# KiCad board Boston-keyboard.kicad_pcb
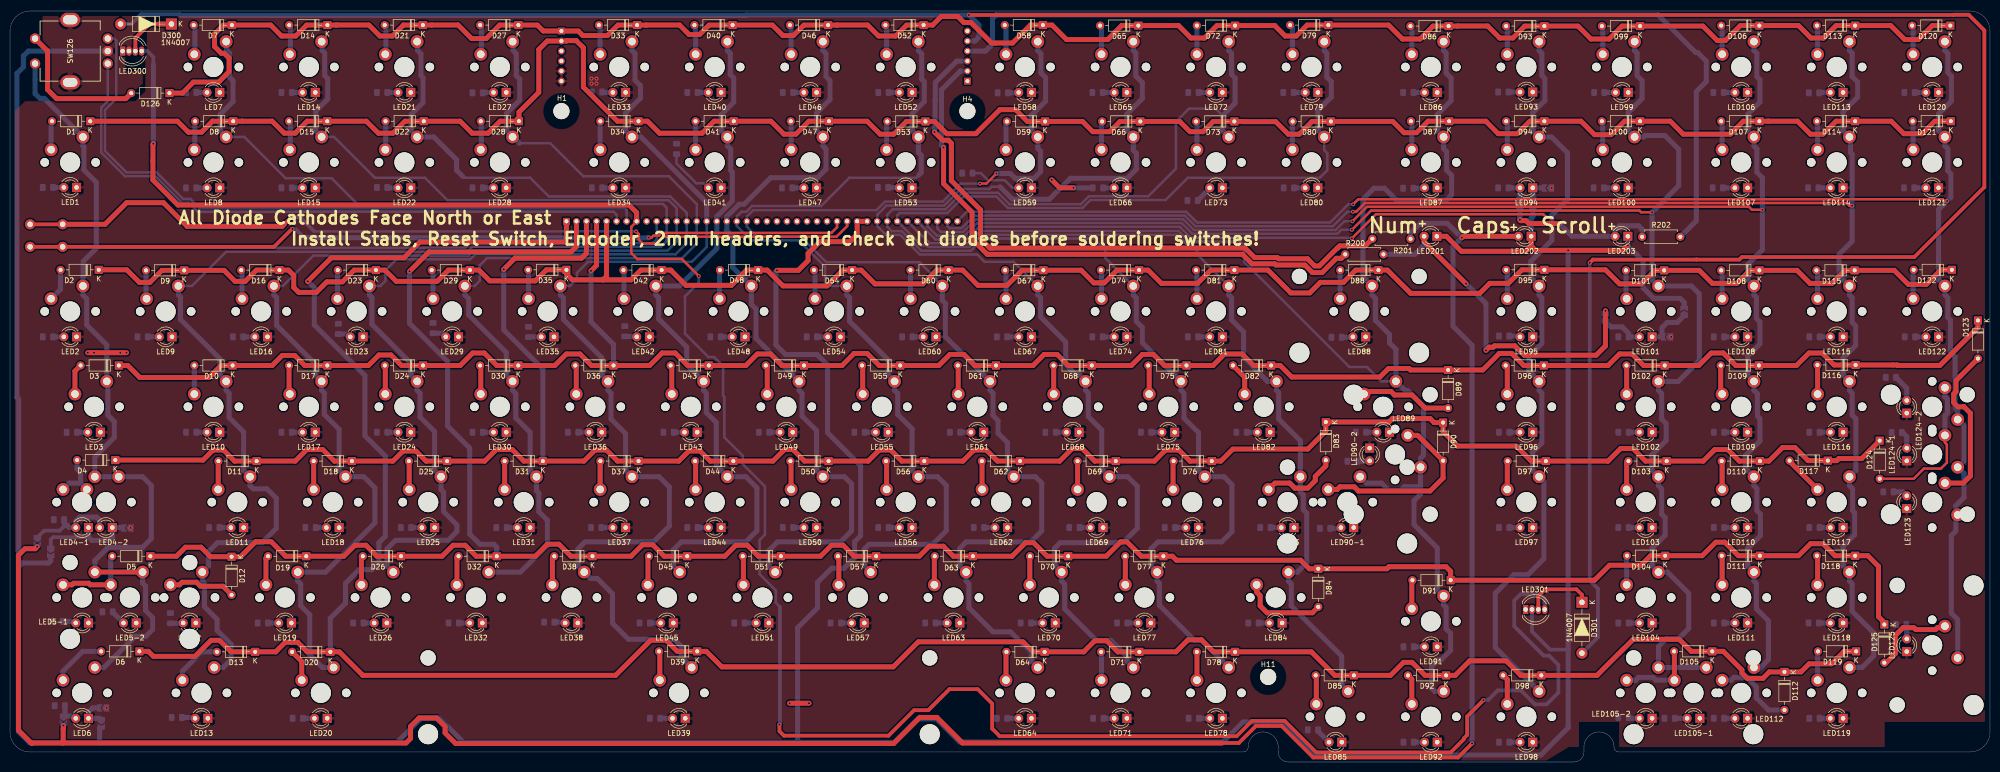
[diagram p0: board, top side]
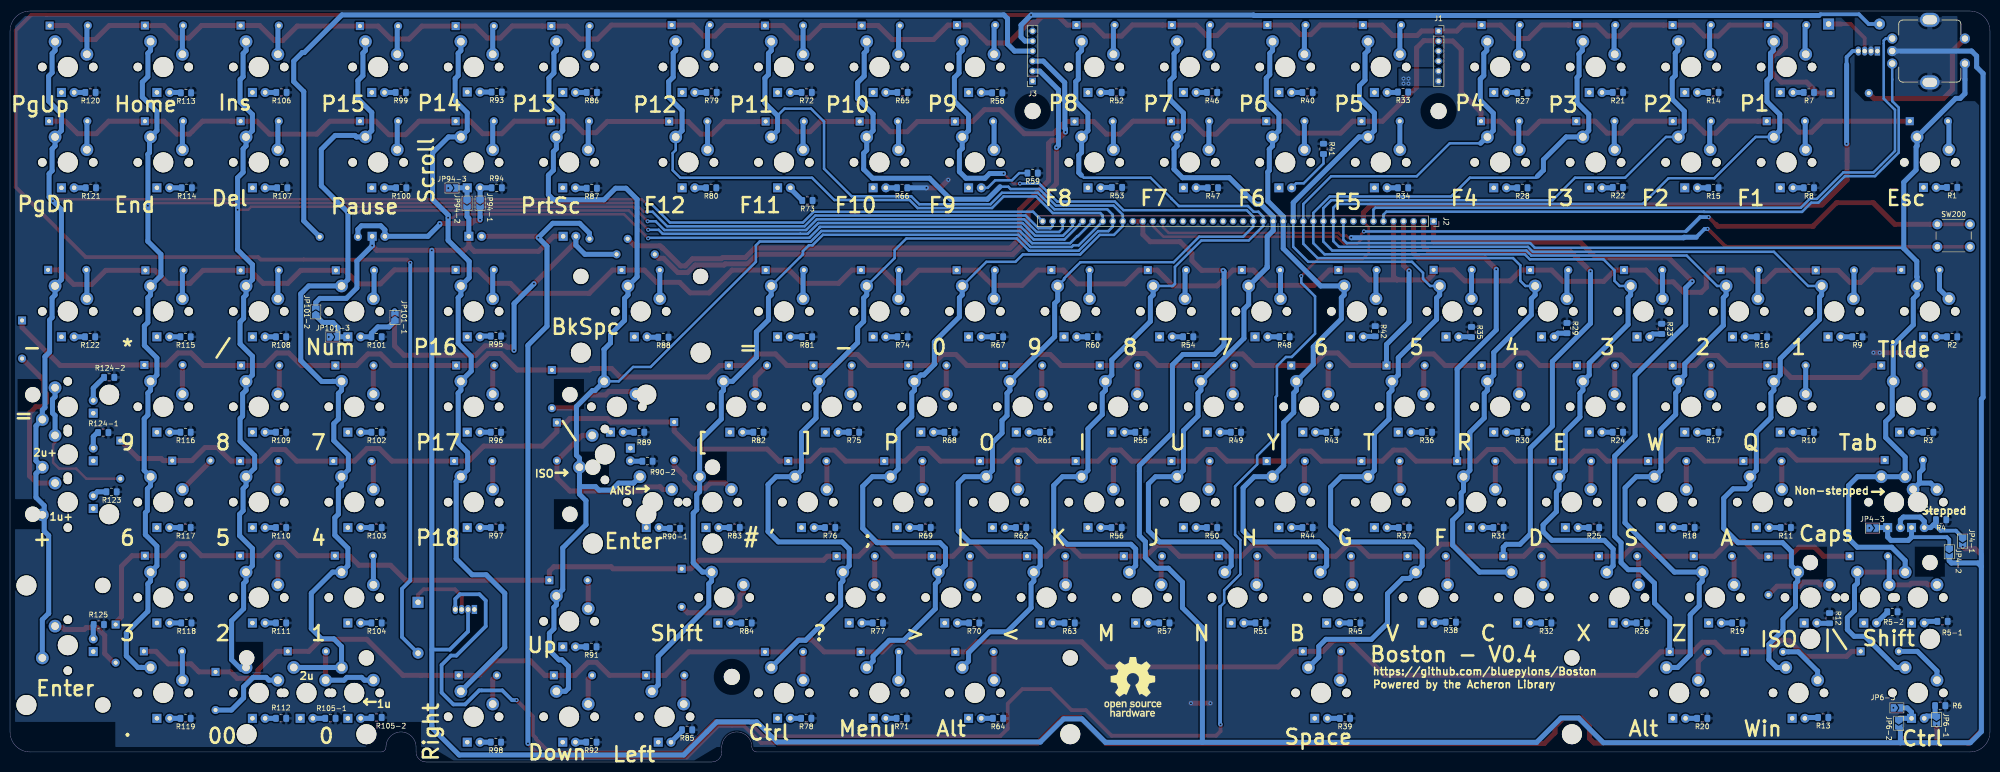
[diagram p1: board, bottom side, seen from below]

Outline 395 x 150 mm; copper layers: Top, Bottom. Coordinates in mm from the lower left corner of the outline.
Outline path: 0,146 0,6 arc(1.17,3.17) 4,2 246,2 arc(246.71,2.29) 247,3 arc(250,6) 253,3 253,2 arc(253.59,0.59) 255,0 312,0 arc(313.41,0.59) 314,2 314,3 arc(317,6) 320,3 arc(320.29,2.29) 321,2 391,2 arc(393.83,3.17) 395,6 395,146 arc(393.83,148.83) 391,150 4,150 arc(1.17,148.83) 0,146
Stack: Top 0.035mm / dielectric 1.51mm FR4 er 4.5 / Bottom 0.035mm

## Placement (name value [footprint] x y rotation side)
D1  1N4148  [D_DO-35_SOD27_P7.62mm_Horizontal]  16 127.99 180 top
D2  1N4148  [D_DO-35_SOD27_P7.62mm_Horizontal]  17.7 98.3 180 top
D3  1N4148  [D_DO-35_SOD27_P7.62mm_Horizontal]  21.7 79.2 180 top
D4  1N4148  [D_DO-35_SOD27_P7.62mm_Horizontal]  21 60.3 180 top
D5  1N4148  [D_DO-35_SOD27_P7.62mm_Horizontal]  28 41.1 180 top
D6  1N4148  [D_DO-35_SOD27_P7.62mm_Horizontal]  25.8 22.1 180 top
D7  1N4148  [D_DO-35_SOD27_P7.62mm_Horizontal]  44.27 147.19 180 top
D8  1N4148  [D_DO-35_SOD27_P7.62mm_Horizontal]  44.54 127.99 180 top
D9  1N4148  [D_DO-35_SOD27_P7.62mm_Horizontal]  34.75 98.2 180 top
D10  1N4148  [D_DO-35_SOD27_P7.62mm_Horizontal]  44.4 79.2 180 top
D11  1N4148  [D_DO-35_SOD27_P7.62mm_Horizontal]  49.2 60.1 180 top
D12  1N4148  [D_DO-35_SOD27_P7.62mm_Horizontal]  44.2 41 270 top
D13  1N4148  [D_DO-35_SOD27_P7.62mm_Horizontal]  48.9 22 180 top
D14  1N4148  [D_DO-35_SOD27_P7.62mm_Horizontal]  63.32 147.19 180 top
D15  1N4148  [D_DO-35_SOD27_P7.62mm_Horizontal]  63.29 127.99 180 top
D16  1N4148  [D_DO-35_SOD27_P7.62mm_Horizontal]  53.75 98.25 180 top
D17  1N4148  [D_DO-35_SOD27_P7.62mm_Horizontal]  63.3 79.2 180 top
D18  1N4148  [D_DO-35_SOD27_P7.62mm_Horizontal]  68.2 60.1 180 top
D19  1N4148  [D_DO-35_SOD27_P7.62mm_Horizontal]  59.1 41.1 180 top
D20  1N4148  [D_DO-35_SOD27_P7.62mm_Horizontal]  63.9 22 180 top
D21  1N4148  [D_DO-35_SOD27_P7.62mm_Horizontal]  82.37 147.19 180 top
D22  1N4148  [D_DO-35_SOD27_P7.62mm_Horizontal]  82.54 127.99 180 top
D23  1N4148  [D_DO-35_SOD27_P7.62mm_Horizontal]  73 98.25 180 top
D24  1N4148  [D_DO-35_SOD27_P7.62mm_Horizontal]  82.4 79.2 180 top
D25  1N4148  [D_DO-35_SOD27_P7.62mm_Horizontal]  87.2 60.1 180 top
D26  1N4148  [D_DO-35_SOD27_P7.62mm_Horizontal]  78 41.1 180 top
D27  1N4148  [D_DO-35_SOD27_P7.62mm_Horizontal]  101.42 147.19 180 top
D28  1N4148  [D_DO-35_SOD27_P7.62mm_Horizontal]  101.54 127.99 180 top
D29  1N4148  [D_DO-35_SOD27_P7.62mm_Horizontal]  91.75 98.25 180 top
D30  1N4148  [D_DO-35_SOD27_P7.62mm_Horizontal]  101.4 79.2 180 top
D31  1N4148  [D_DO-35_SOD27_P7.62mm_Horizontal]  106.3 60.1 180 top
D32  1N4148  [D_DO-35_SOD27_P7.62mm_Horizontal]  97.1 41.1 180 top
D33  1N4148  [D_DO-35_SOD27_P7.62mm_Horizontal]  125.11 147.19 180 top
D34  1N4148  [D_DO-35_SOD27_P7.62mm_Horizontal]  125.38 127.99 180 top
D35  1N4148  [D_DO-35_SOD27_P7.62mm_Horizontal]  111 98.3 180 top
D36  1N4148  [D_DO-35_SOD27_P7.62mm_Horizontal]  120.4 79.2 180 top
D37  1N4148  [D_DO-35_SOD27_P7.62mm_Horizontal]  125.4 60.1 180 top
D38  1N4148  [D_DO-35_SOD27_P7.62mm_Horizontal]  116.2 41.1 180 top
D39  1N4148  [D_DO-35_SOD27_P7.62mm_Horizontal]  137.1 22.1 180 top
D40  1N4148  [D_DO-35_SOD27_P7.62mm_Horizontal]  144.16 147.19 180 top
D41  1N4148  [D_DO-35_SOD27_P7.62mm_Horizontal]  144.38 127.99 180 top
D42  1N4148  [D_DO-35_SOD27_P7.62mm_Horizontal]  130 98.25 180 top
D43  1N4148  [D_DO-35_SOD27_P7.62mm_Horizontal]  139.4 79.2 180 top
D44  1N4148  [D_DO-35_SOD27_P7.62mm_Horizontal]  144.3 60.1 180 top
D45  1N4148  [D_DO-35_SOD27_P7.62mm_Horizontal]  135.1 41.1 180 top
D46  1N4148  [D_DO-35_SOD27_P7.62mm_Horizontal]  163.21 147.19 180 top
D47  1N4148  [D_DO-35_SOD27_P7.62mm_Horizontal]  163.38 127.99 180 top
D48  1N4148  [D_DO-35_SOD27_P7.62mm_Horizontal]  149.25 98.25 180 top
D49  1N4148  [D_DO-35_SOD27_P7.62mm_Horizontal]  158.4 79.2 180 top
D50  1N4148  [D_DO-35_SOD27_P7.62mm_Horizontal]  163.3 60.1 180 top
D51  1N4148  [D_DO-35_SOD27_P7.62mm_Horizontal]  153.8 41.1 180 top
D52  1N4148  [D_DO-35_SOD27_P7.62mm_Horizontal]  182.26 147.19 180 top
D53  1N4148  [D_DO-35_SOD27_P7.62mm_Horizontal]  182.63 127.94 180 top
D54  1N4148  [D_DO-35_SOD27_P7.62mm_Horizontal]  168 98.25 180 top
D55  1N4148  [D_DO-35_SOD27_P7.62mm_Horizontal]  177.6 79.2 180 top
D56  1N4148  [D_DO-35_SOD27_P7.62mm_Horizontal]  182.4 60.1 180 top
D57  1N4148  [D_DO-35_SOD27_P7.62mm_Horizontal]  172.8 41.1 180 top
D58  1N4148  [D_DO-35_SOD27_P7.62mm_Horizontal]  206.07 147.19 180 top
D59  1N4148  [D_DO-35_SOD27_P7.62mm_Horizontal]  206.5 127.94 180 top
D60  1N4148  [D_DO-35_SOD27_P7.62mm_Horizontal]  187.25 98.25 180 top
D61  1N4148  [D_DO-35_SOD27_P7.62mm_Horizontal]  196.7 79.2 180 top
D62  1N4148  [D_DO-35_SOD27_P7.62mm_Horizontal]  201.5 60.1 180 top
D63  1N4148  [D_DO-35_SOD27_P7.62mm_Horizontal]  192.1 41.1 180 top
D64  1N4148  [D_DO-35_SOD27_P7.62mm_Horizontal]  206.4 22 180 top
D65  1N4148  [D_DO-35_SOD27_P7.62mm_Horizontal]  225.1 147.09 180 top
D66  1N4148  [D_DO-35_SOD27_P7.62mm_Horizontal]  225.5 127.94 180 top
D67  1N4148  [D_DO-35_SOD27_P7.62mm_Horizontal]  206.15 98.22 180 top
D68  1N4148  [D_DO-35_SOD27_P7.62mm_Horizontal]  215.8 79.2 180 top
D69  1N4148  [D_DO-35_SOD27_P7.62mm_Horizontal]  220.6 60.1 180 top
D70  1N4148  [D_DO-35_SOD27_P7.62mm_Horizontal]  211.1 41.1 180 top
D71  1N4148  [D_DO-35_SOD27_P7.62mm_Horizontal]  225.3 22 180 top
D72  1N4148  [D_DO-35_SOD27_P7.62mm_Horizontal]  244.4 147.09 180 top
D73  1N4148  [D_DO-35_SOD27_P7.62mm_Horizontal]  244.25 127.94 180 top
D74  1N4148  [D_DO-35_SOD27_P7.62mm_Horizontal]  225.25 98.25 180 top
D75  1N4148  [D_DO-35_SOD27_P7.62mm_Horizontal]  234.7 79.2 180 top
D76  1N4148  [D_DO-35_SOD27_P7.62mm_Horizontal]  239.75 60.1 180 top
D77  1N4148  [D_DO-35_SOD27_P7.62mm_Horizontal]  230.1 41.1 180 top
D78  1N4148  [D_DO-35_SOD27_P7.62mm_Horizontal]  244.4 22 180 top
D79  1N4148  [D_DO-35_SOD27_P7.62mm_Horizontal]  263 147.19 180 top
D80  1N4148  [D_DO-35_SOD27_P7.62mm_Horizontal]  263.5 127.94 180 top
D81  1N4148  [D_DO-35_SOD27_P7.62mm_Horizontal]  244.25 98.25 180 top
D82  1N4148  [D_DO-35_SOD27_P7.62mm_Horizontal]  251.6 79.2 180 top
D83  1N4148  [D_DO-35_SOD27_P7.62mm_Horizontal]  262.5 67.9 270 top
D84  1N4148  [D_DO-35_SOD27_P7.62mm_Horizontal]  261 38.6 270 top
D85  1N4148  [D_DO-35_SOD27_P7.62mm_Horizontal]  268.1 17.3 180 top
D86  1N4148  [D_DO-35_SOD27_P7.62mm_Horizontal]  287 146.99 180 top
D87  1N4148  [D_DO-35_SOD27_P7.62mm_Horizontal]  287.1 127.99 180 top
D88  1N4148  [D_DO-35_SOD27_P7.62mm_Horizontal]  273 98.25 180 top
D89  1N4148  [D_DO-35_SOD27_P7.62mm_Horizontal]  286.9 78.3 270 top
D90  1N4148  [D_DO-35_SOD27_P7.62mm_Horizontal]  285.9 67.8 270 top
D91  1N4148  [D_DO-35_SOD27_P7.62mm_Horizontal]  287.4 36.3 180 top
D92  1N4148  [D_DO-35_SOD27_P7.62mm_Horizontal]  286.5 17.3 180 top
D93  1N4148  [D_DO-35_SOD27_P7.62mm_Horizontal]  306.1 146.99 180 top
D94  1N4148  [D_DO-35_SOD27_P7.62mm_Horizontal]  306.1 127.99 180 top
D95  1N4148  [D_DO-35_SOD27_P7.62mm_Horizontal]  306.1 98.3 180 top
D96  1N4148  [D_DO-35_SOD27_P7.62mm_Horizontal]  306 79.2 180 top
D97  1N4148  [D_DO-35_SOD27_P7.62mm_Horizontal]  306.4 60.1 180 top
D98  1N4148  [D_DO-35_SOD27_P7.62mm_Horizontal]  305.5 17.3 180 top
D99  1N4148  [D_DO-35_SOD27_P7.62mm_Horizontal]  325.2 146.99 180 top
D100  1N4148  [D_DO-35_SOD27_P7.62mm_Horizontal]  325.2 127.99 180 top
D101  1N4148  [D_DO-35_SOD27_P7.62mm_Horizontal]  330 98.2 180 top
D102  1N4148  [D_DO-35_SOD27_P7.62mm_Horizontal]  330.1 79.2 180 top
D103  1N4148  [D_DO-35_SOD27_P7.62mm_Horizontal]  330.5 60.1 180 top
D104  1N4148  [D_DO-35_SOD27_P7.62mm_Horizontal]  330.2 41.2 180 top
D105  1N4148  [D_DO-35_SOD27_P7.62mm_Horizontal]  339.6 22.1 180 top
D106  1N4148  [D_DO-35_SOD27_P7.62mm_Horizontal]  349 147.09 180 top
D107  1N4148  [D_DO-35_SOD27_P7.62mm_Horizontal]  349 127.99 180 top
D108  1N4148  [D_DO-35_SOD27_P7.62mm_Horizontal]  349 98.2 180 top
D109  1N4148  [D_DO-35_SOD27_P7.62mm_Horizontal]  348.9 79.2 180 top
D110  1N4148  [D_DO-35_SOD27_P7.62mm_Horizontal]  349.1 60.1 180 top
D111  1N4148  [D_DO-35_SOD27_P7.62mm_Horizontal]  349.1 41.2 180 top
D112  1N4148  [D_DO-35_SOD27_P7.62mm_Horizontal]  354 18 270 top
D113  1N4148  [D_DO-35_SOD27_P7.62mm_Horizontal]  368.1 147.09 180 top
D114  1N4148  [D_DO-35_SOD27_P7.62mm_Horizontal]  368.1 127.99 180 top
D115  1N4148  [D_DO-35_SOD27_P7.62mm_Horizontal]  368 98.2 180 top
D116  1N4148  [D_DO-35_SOD27_P7.62mm_Horizontal]  368.2 79.3 180 top
D117  1N4148  [D_DO-35_SOD27_P7.62mm_Horizontal]  362.64 60.2 180 top
D118  1N4148  [D_DO-35_SOD27_P7.62mm_Horizontal]  368.1 41.2 180 top
D119  1N4148  [D_DO-35_SOD27_P7.62mm_Horizontal]  368.3 22.1 180 top
D120  1N4148  [D_DO-35_SOD27_P7.62mm_Horizontal]  387.1 147.09 180 top
D121  1N4148  [D_DO-35_SOD27_P7.62mm_Horizontal]  387.2 127.99 180 top
D122  1N4148  [D_DO-35_SOD27_P7.62mm_Horizontal]  387.4 98.3 180 top
D123  1N4148  [D_DO-35_SOD27_P7.62mm_Horizontal]  392.6 88.2 270 top
D124  1N4148  [D_DO-35_SOD27_P7.62mm_Horizontal]  373 64.2 270 top
D125  1N4148  [D_DO-35_SOD27_P7.62mm_Horizontal]  373.93 27.46 270 top
D126  1N4148  [D_DO-35_SOD27_P7.62mm_Horizontal]  31.8 133.6 180 top
D300  1N4007  [D_DO-41_SOD81_P10.16mm_Horizontal]  32.2 147.4 180 top
D301  1N4007  [D_DO-41_SOD81_P10.16mm_Horizontal]  313.6 31.9 270 top
H1  MountingHole  [MountingHole_3.2mm_M3_ISO7380]  110 130 0 top
H4  MountingHole  [MountingHole_3.2mm_M3_ISO7380]  191 130 0 top
H11  MountingHole  [MountingHole_3.2mm_M3_ISO7380]  251 17 0 top
J1  Conn_01x06_Female  [PinSocket_1x06_P2.00mm_Vertical]  110 146 180 bottom
J2  Conn_01x40_Female  [PinSocket_1x40_P2.00mm_Vertical]  111 108 270 bottom
J3  Conn_01x06_Female  [PinSocket_1x06_P2.00mm_Vertical]  191 136 0 bottom
JP4-1  SolderJumper_2_Open  [SolderJumper-2_P1.3mm_Open_TrianglePad1.0x1.5mm]  5.45 44.12 270 bottom
JP4-2  SolderJumper_2_Open  [SolderJumper-2_P1.3mm_Open_TrianglePad1.0x1.5mm]  8.12 41.98 270 bottom
JP4-3  SolderJumper_2_Open  [SolderJumper-2_P1.3mm_Open_TrianglePad1.0x1.5mm]  23.45 46.73 180 bottom
JP6-1  SolderJumper_2_Open  [SolderJumper-2_P1.3mm_Open_TrianglePad1.0x1.5mm]  10.68 8.45 270 bottom
JP6-2  SolderJumper_2_Open  [SolderJumper-2_P1.3mm_Open_TrianglePad1.0x1.5mm]  18.2 7.75 270 bottom
JP6-3  SolderJumper_2_Open  [SolderJumper-2_P1.3mm_Open_TrianglePad1.0x1.5mm]  18.57 10.8 180 bottom
JP94-1  SolderJumper_2_Open  [SolderJumper-2_P1.3mm_Open_TrianglePad1.0x1.5mm]  301.23 111.62 270 bottom
JP94-2  SolderJumper_2_Open  [SolderJumper-2_P1.3mm_Open_TrianglePad1.0x1.5mm]  303.82 111.62 270 bottom
JP94-3  SolderJumper_2_Open  [SolderJumper-2_P1.3mm_Open_TrianglePad1.0x1.5mm]  306.82 114.65 180 bottom
JP101-1  SolderJumper_2_Open  [SolderJumper-2_P1.3mm_Open_TrianglePad1.0x1.5mm]  318.2 88.8 90 bottom
JP101-2  SolderJumper_2_Open  [SolderJumper-2_P1.3mm_Open_TrianglePad1.0x1.5mm]  334 89.9 90 bottom
JP101-3  SolderJumper_2_Open  [SolderJumper-2_P1.3mm_Open_TrianglePad1.0x1.5mm]  330.6 84.9 180 bottom
LED1  LED  [LED_D3.0mm_Clear]  13.27 114.77 180 top
LED2  LED  [LED_D3.0mm_Clear]  13.27 84.92 180 top
LED3  LED  [LED_D3.0mm_Clear]  18.03 65.87 180 top
LED4-1  LED  [LED_D3.0mm_Clear]  15.65 46.82 180 top
LED4-2  LED  [LED_D3.0mm_Clear]  20.41 46.82 180 top
LED5-1  LED  [LED_D3.0mm_Clear]  15.65 27.77 180 top
LED5-2  LED  [LED_D3.0mm_Clear]  25.18 27.77 180 top
LED6  LED  [LED_D3.0mm_Clear]  15.65 8.72 180 top
LED7  LED  [LED_D3.0mm_Clear]  41.84 133.74 180 top
LED8  LED  [LED_D3.0mm_Clear]  41.84 114.69 180 top
LED9  LED  [LED_D3.0mm_Clear]  32.32 84.92 180 top
LED10  LED  [LED_D3.0mm_Clear]  41.84 65.87 180 top
LED11  LED  [LED_D3.0mm_Clear]  46.61 46.82 180 top
LED12  LED  [LED_D3.0mm_Clear]  37.08 27.77 180 top
LED13  LED  [LED_D3.0mm_Clear]  39.46 8.72 180 top
LED14  LED  [LED_D3.0mm_Clear]  60.9 133.74 180 top
LED15  LED  [LED_D3.0mm_Clear]  60.9 114.69 180 top
LED16  LED  [LED_D3.0mm_Clear]  51.37 84.92 180 top
LED17  LED  [LED_D3.0mm_Clear]  60.9 65.87 180 top
LED18  LED  [LED_D3.0mm_Clear]  65.66 46.82 180 top
LED19  LED  [LED_D3.0mm_Clear]  56.13 27.77 180 top
LED20  LED  [LED_D3.0mm_Clear]  63.28 8.72 180 top
LED21  LED  [LED_D3.0mm_Clear]  79.94 133.74 180 top
LED22  LED  [LED_D3.0mm_Clear]  79.94 114.69 180 top
LED23  LED  [LED_D3.0mm_Clear]  70.42 84.92 180 top
LED24  LED  [LED_D3.0mm_Clear]  79.94 65.87 180 top
LED25  LED  [LED_D3.0mm_Clear]  84.71 46.82 180 top
LED26  LED  [LED_D3.0mm_Clear]  75.18 27.77 180 top
LED27  LED  [LED_D3.0mm_Clear]  99 133.74 180 top
LED28  LED  [LED_D3.0mm_Clear]  99 114.69 180 top
LED29  LED  [LED_D3.0mm_Clear]  89.47 84.92 180 top
LED30  LED  [LED_D3.0mm_Clear]  99 65.87 180 top
LED31  LED  [LED_D3.0mm_Clear]  103.76 46.82 180 top
LED32  LED  [LED_D3.0mm_Clear]  94.23 27.77 180 top
LED33  LED  [LED_D3.0mm_Clear]  122.81 133.74 180 top
LED34  LED  [LED_D3.0mm_Clear]  122.81 114.69 180 top
LED35  LED  [LED_D3.0mm_Clear]  108.52 84.92 180 top
LED36  LED  [LED_D3.0mm_Clear]  118.05 65.87 180 top
LED37  LED  [LED_D3.0mm_Clear]  122.81 46.82 180 top
LED38  LED  [LED_D3.0mm_Clear]  113.28 27.77 180 top
LED39  LED  [LED_D3.0mm_Clear]  134.71 8.72 180 top
LED40  LED  [LED_D3.0mm_Clear]  141.86 133.74 180 top
LED41  LED  [LED_D3.0mm_Clear]  141.86 114.69 180 top
LED42  LED  [LED_D3.0mm_Clear]  127.57 84.92 180 top
LED43  LED  [LED_D3.0mm_Clear]  137.09 65.87 180 top
LED44  LED  [LED_D3.0mm_Clear]  141.86 46.82 180 top
LED45  LED  [LED_D3.0mm_Clear]  132.33 27.77 180 top
LED46  LED  [LED_D3.0mm_Clear]  160.91 133.74 180 top
LED47  LED  [LED_D3.0mm_Clear]  160.91 114.69 180 top
LED48  LED  [LED_D3.0mm_Clear]  146.62 84.92 180 top
LED49  LED  [LED_D3.0mm_Clear]  156.15 65.87 180 top
LED50  LED  [LED_D3.0mm_Clear]  160.91 46.82 180 top
LED51  LED  [LED_D3.0mm_Clear]  151.38 27.77 180 top
LED52  LED  [LED_D3.0mm_Clear]  179.96 133.74 180 top
LED53  LED  [LED_D3.0mm_Clear]  179.96 114.69 180 top
LED54  LED  [LED_D3.0mm_Clear]  165.67 84.92 180 top
LED55  LED  [LED_D3.0mm_Clear]  175.19 65.87 180 top
LED56  LED  [LED_D3.0mm_Clear]  179.96 46.82 180 top
LED57  LED  [LED_D3.0mm_Clear]  170.43 27.77 180 top
LED58  LED  [LED_D3.0mm_Clear]  203.77 133.74 180 top
LED59  LED  [LED_D3.0mm_Clear]  203.77 114.69 180 top
LED60  LED  [LED_D3.0mm_Clear]  184.72 84.92 180 top
LED61  LED  [LED_D3.0mm_Clear]  194.25 65.87 180 top
LED62  LED  [LED_D3.0mm_Clear]  199.01 46.82 180 top
LED63  LED  [LED_D3.0mm_Clear]  189.48 27.77 180 top
LED64  LED  [LED_D3.0mm_Clear]  203.77 8.72 180 top
LED65  LED  [LED_D3.0mm_Clear]  222.82 133.74 180 top
LED66  LED  [LED_D3.0mm_Clear]  222.82 114.69 180 top
LED67  LED  [LED_D3.0mm_Clear]  203.77 84.92 180 top
LED68  LED  [LED_D3.0mm_Clear]  213.29 65.87 180 top
LED69  LED  [LED_D3.0mm_Clear]  218.06 46.82 180 top
LED70  LED  [LED_D3.0mm_Clear]  208.53 27.77 180 top
LED71  LED  [LED_D3.0mm_Clear]  222.82 8.72 180 top
LED72  LED  [LED_D3.0mm_Clear]  241.87 133.74 180 top
LED73  LED  [LED_D3.0mm_Clear]  241.87 114.69 180 top
LED74  LED  [LED_D3.0mm_Clear]  222.82 84.92 180 top
LED75  LED  [LED_D3.0mm_Clear]  232.34 65.87 180 top
LED76  LED  [LED_D3.0mm_Clear]  237.11 46.82 180 top
LED77  LED  [LED_D3.0mm_Clear]  227.58 27.77 180 top
LED78  LED  [LED_D3.0mm_Clear]  241.87 8.72 180 top
LED79  LED  [LED_D3.0mm_Clear]  260.92 133.74 180 top
LED80  LED  [LED_D3.0mm_Clear]  260.92 114.69 180 top
LED81  LED  [LED_D3.0mm_Clear]  241.87 84.92 180 top
LED82  LED  [LED_D3.0mm_Clear]  251.4 65.87 180 top
LED83  LED  [LED_D3.0mm_Clear]  256.16 46.82 180 top
LED84  LED  [LED_D3.0mm_Clear]  253.78 27.77 180 top
LED85  LED  [LED_D3.0mm_Clear]  265.68 3.96 180 top
LED86  LED  [LED_D3.0mm_Clear]  284.73 133.74 180 top
LED87  LED  [LED_D3.0mm_Clear]  284.73 114.69 180 top
LED88  LED  [LED_D3.0mm_Clear]  270.44 84.92 180 top
LED89  LED  [LED_D3.0mm_Clear]  275.21 65.87 180 top
LED90-1  LED  [LED_D3.0mm_Clear]  268.06 46.82 180 top
LED90-2  LED  [LED_D3.0mm_Clear]  271.24 62.7 270 top
LED91  LED  [LED_D3.0mm_Clear]  284.73 23.01 180 top
LED92  LED  [LED_D3.0mm_Clear]  284.73 3.96 180 top
LED93  LED  [LED_D3.0mm_Clear]  303.78 133.81 180 top
LED94  LED  [LED_D3.0mm_Clear]  303.78 114.69 180 top
LED95  LED  [LED_D3.0mm_Clear]  303.78 84.92 180 top
LED96  LED  [LED_D3.0mm_Clear]  303.78 65.87 180 top
LED97  LED  [LED_D3.0mm_Clear]  303.78 46.82 180 top
LED98  LED  [LED_D3.0mm_Clear]  303.78 3.96 180 top
LED99  LED  [LED_D3.0mm_Clear]  322.83 133.74 180 top
LED100  LED  [LED_D3.0mm_Clear]  322.83 114.69 180 top
LED101  LED  [LED_D3.0mm_Clear]  327.6 84.92 180 top
LED102  LED  [LED_D3.0mm_Clear]  327.6 65.87 180 top
LED103  LED  [LED_D3.0mm_Clear]  327.6 46.82 180 top
LED104  LED  [LED_D3.0mm_Clear]  327.6 27.77 180 top
LED105-1  LED  [LED_D3.0mm_Clear]  337.12 8.72 180 top
LED105-2  LED  [LED_D3.0mm_Clear]  327.6 8.72 180 top
LED106  LED  [LED_D3.0mm_Clear]  346.64 133.74 180 top
LED107  LED  [LED_D3.0mm_Clear]  346.64 114.69 180 top
LED108  LED  [LED_D3.0mm_Clear]  346.64 84.92 180 top
LED109  LED  [LED_D3.0mm_Clear]  346.64 65.87 180 top
LED110  LED  [LED_D3.0mm_Clear]  346.64 46.82 180 top
LED111  LED  [LED_D3.0mm_Clear]  346.64 27.77 180 top
LED112  LED  [LED_D3.0mm_Clear]  346.64 8.72 180 top
LED113  LED  [LED_D3.0mm_Clear]  365.69 133.74 180 top
LED114  LED  [LED_D3.0mm_Clear]  365.69 114.69 180 top
LED115  LED  [LED_D3.0mm_Clear]  365.69 84.92 180 top
LED116  LED  [LED_D3.0mm_Clear]  365.69 65.87 180 top
LED117  LED  [LED_D3.0mm_Clear]  365.69 46.82 180 top
LED118  LED  [LED_D3.0mm_Clear]  365.69 27.77 180 top
LED119  LED  [LED_D3.0mm_Clear]  365.69 8.72 180 top
LED120  LED  [LED_D3.0mm_Clear]  384.75 133.74 180 top
LED121  LED  [LED_D3.0mm_Clear]  384.75 114.69 180 top
LED122  LED  [LED_D3.0mm_Clear]  384.75 84.92 180 top
LED123  LED  [LED_D3.0mm_Clear]  378.39 50.63 90 top
LED124-1  LED  [LED_D3.0mm_Clear]  378.39 60.16 90 top
LED124-2  LED  [LED_D3.0mm_Clear]  378.39 69.68 90 top
LED125  LED  [LED_D3.0mm_Clear]  378.39 22.06 90 top
LED201  LED  [LED_D3.0mm_Clear]  284.65 105 180 top
LED202  LED  [LED_D3.0mm_Clear]  303.46 105 180 top
LED203  LED  [LED_D3.0mm_Clear]  322.75 105 180 top
LED300  NeoPixel_THT  [LED_D5.0mm-4_RGB]  22.46 142 0 top
LED301  NeoPixel_THT  [LED_D5.0mm-4_RGB]  302.36 30.46 0 top
LOGO2  Logo_Open_Hardware_Large  [OSHW-Logo_11.4x12mm_SilkScreen]  171 15 180 bottom
R1  47  [R_0805_2012Metric_Pad1.15x1.40mm_HandSolder]  7.55 114.77 0 bottom
R2  47  [R_0805_2012Metric_Pad1.15x1.40mm_HandSolder]  7.55 84.92 0 bottom
R3  47  [R_0805_2012Metric_Pad1.15x1.40mm_HandSolder]  12.32 65.87 0 bottom
R4  47  [R_0805_2012Metric_Pad1.15x1.40mm_HandSolder]  9.75 48.4 0 bottom
R5-1  47  [R_0805_2012Metric_Pad1.15x1.40mm_HandSolder]  9.46 28.09 0 bottom
R5-2  47  [R_0805_2012Metric_Pad1.15x1.40mm_HandSolder]  19.46 29.99 0 bottom
R6  47  [R_0805_2012Metric_Pad1.15x1.40mm_HandSolder]  9.93 11.25 0 bottom
R7  47  [R_0805_2012Metric_Pad1.15x1.40mm_HandSolder]  36.13 133.74 0 bottom
R8  47  [R_0805_2012Metric_Pad1.15x1.40mm_HandSolder]  36.13 114.69 0 bottom
R9  47  [R_0805_2012Metric_Pad1.15x1.40mm_HandSolder]  26.45 84.92 0 bottom
R10  47  [R_0805_2012Metric_Pad1.15x1.40mm_HandSolder]  36.13 65.87 0 bottom
R11  47  [R_0805_2012Metric_Pad1.15x1.40mm_HandSolder]  40.73 46.82 0 bottom
R12  47  [R_0805_2012Metric_Pad1.15x1.40mm_HandSolder]  32 28.72 270 bottom
R13  47  [R_0805_2012Metric_Pad1.15x1.40mm_HandSolder]  33.27 8.88 0 bottom
R14  47  [R_0805_2012Metric_Pad1.15x1.40mm_HandSolder]  55.18 133.74 0 bottom
R15  47  [R_0805_2012Metric_Pad1.15x1.40mm_HandSolder]  55.18 114.69 0 bottom
R16  47  [R_0805_2012Metric_Pad1.15x1.40mm_HandSolder]  45.5 84.92 0 bottom
R17  47  [R_0805_2012Metric_Pad1.15x1.40mm_HandSolder]  55.18 65.87 0 bottom
R18  47  [R_0805_2012Metric_Pad1.15x1.40mm_HandSolder]  59.94 46.82 0 bottom
R19  47  [R_0805_2012Metric_Pad1.15x1.40mm_HandSolder]  50.42 27.77 0 bottom
R20  47  [R_0805_2012Metric_Pad1.15x1.40mm_HandSolder]  57.4 8.72 0 bottom
R21  47  [R_0805_2012Metric_Pad1.15x1.40mm_HandSolder]  74.23 133.74 0 bottom
R22  47  [R_0805_2012Metric_Pad1.15x1.40mm_HandSolder]  74.23 114.77 0 bottom
R23  47  [R_0805_2012Metric_Pad1.15x1.40mm_HandSolder]  65.5 86.51 270 bottom
R24  47  [R_0805_2012Metric_Pad1.15x1.40mm_HandSolder]  74.23 65.87 0 bottom
R25  47  [R_0805_2012Metric_Pad1.15x1.40mm_HandSolder]  78.99 46.82 0 bottom
R26  47  [R_0805_2012Metric_Pad1.15x1.40mm_HandSolder]  69.47 27.77 0 bottom
R27  47  [R_0805_2012Metric_Pad1.15x1.40mm_HandSolder]  93.28 133.66 0 bottom
R28  47  [R_0805_2012Metric_Pad1.15x1.40mm_HandSolder]  93.28 114.69 0 bottom
R29  47  [R_0805_2012Metric_Pad1.15x1.40mm_HandSolder]  84.39 86.67 270 bottom
R30  47  [R_0805_2012Metric_Pad1.15x1.40mm_HandSolder]  93.28 65.87 0 bottom
R31  47  [R_0805_2012Metric_Pad1.15x1.40mm_HandSolder]  98.04 46.82 0 bottom
R32  47  [R_0805_2012Metric_Pad1.15x1.40mm_HandSolder]  88.52 27.77 0 bottom
R33  47  [R_0805_2012Metric_Pad1.15x1.40mm_HandSolder]  117.09 133.81 0 bottom
R34  47  [R_0805_2012Metric_Pad1.15x1.40mm_HandSolder]  117.09 114.69 0 bottom
R35  47  [R_0805_2012Metric_Pad1.15x1.40mm_HandSolder]  103.44 85.87 270 bottom
R36  47  [R_0805_2012Metric_Pad1.15x1.40mm_HandSolder]  112.33 65.87 0 bottom
R37  47  [R_0805_2012Metric_Pad1.15x1.40mm_HandSolder]  116.93 46.82 0 bottom
R38  47  [R_0805_2012Metric_Pad1.15x1.40mm_HandSolder]  107.57 27.93 0 bottom
R39  47  [R_0805_2012Metric_Pad1.15x1.40mm_HandSolder]  128.68 8.72 0 bottom
R40  47  [R_0805_2012Metric_Pad1.15x1.40mm_HandSolder]  136.14 133.74 0 bottom
R41  47  [R_0805_2012Metric_Pad1.15x1.40mm_HandSolder]  132.97 122.46 270 bottom
R42  47  [R_0805_2012Metric_Pad1.15x1.40mm_HandSolder]  122.65 86.03 270 bottom
R43  47  [R_0805_2012Metric_Pad1.15x1.40mm_HandSolder]  131.38 65.87 0 bottom
R44  47  [R_0805_2012Metric_Pad1.15x1.40mm_HandSolder]  136.14 46.82 0 bottom
R45  47  [R_0805_2012Metric_Pad1.15x1.40mm_HandSolder]  126.62 27.77 0 bottom
R46  47  [R_0805_2012Metric_Pad1.15x1.40mm_HandSolder]  155.19 133.74 0 bottom
R47  47  [R_0805_2012Metric_Pad1.15x1.40mm_HandSolder]  155.03 114.69 0 bottom
R48  47  [R_0805_2012Metric_Pad1.15x1.40mm_HandSolder]  140.75 84.92 0 bottom